# Altium PCB CANSAT-Measurement-RPI PCB.PcbDoc
Units mm, origin at the board's own origin, x right, y up, seen from the top; angles counter-clockwise.
Board outline 53.09 x 78.1 mm, 2 copper layers (Top Layer, Bottom Layer); 49 components, 67 nets, 382 pads, 0 vias.
Unrouted connection lines stored in the file: 121.
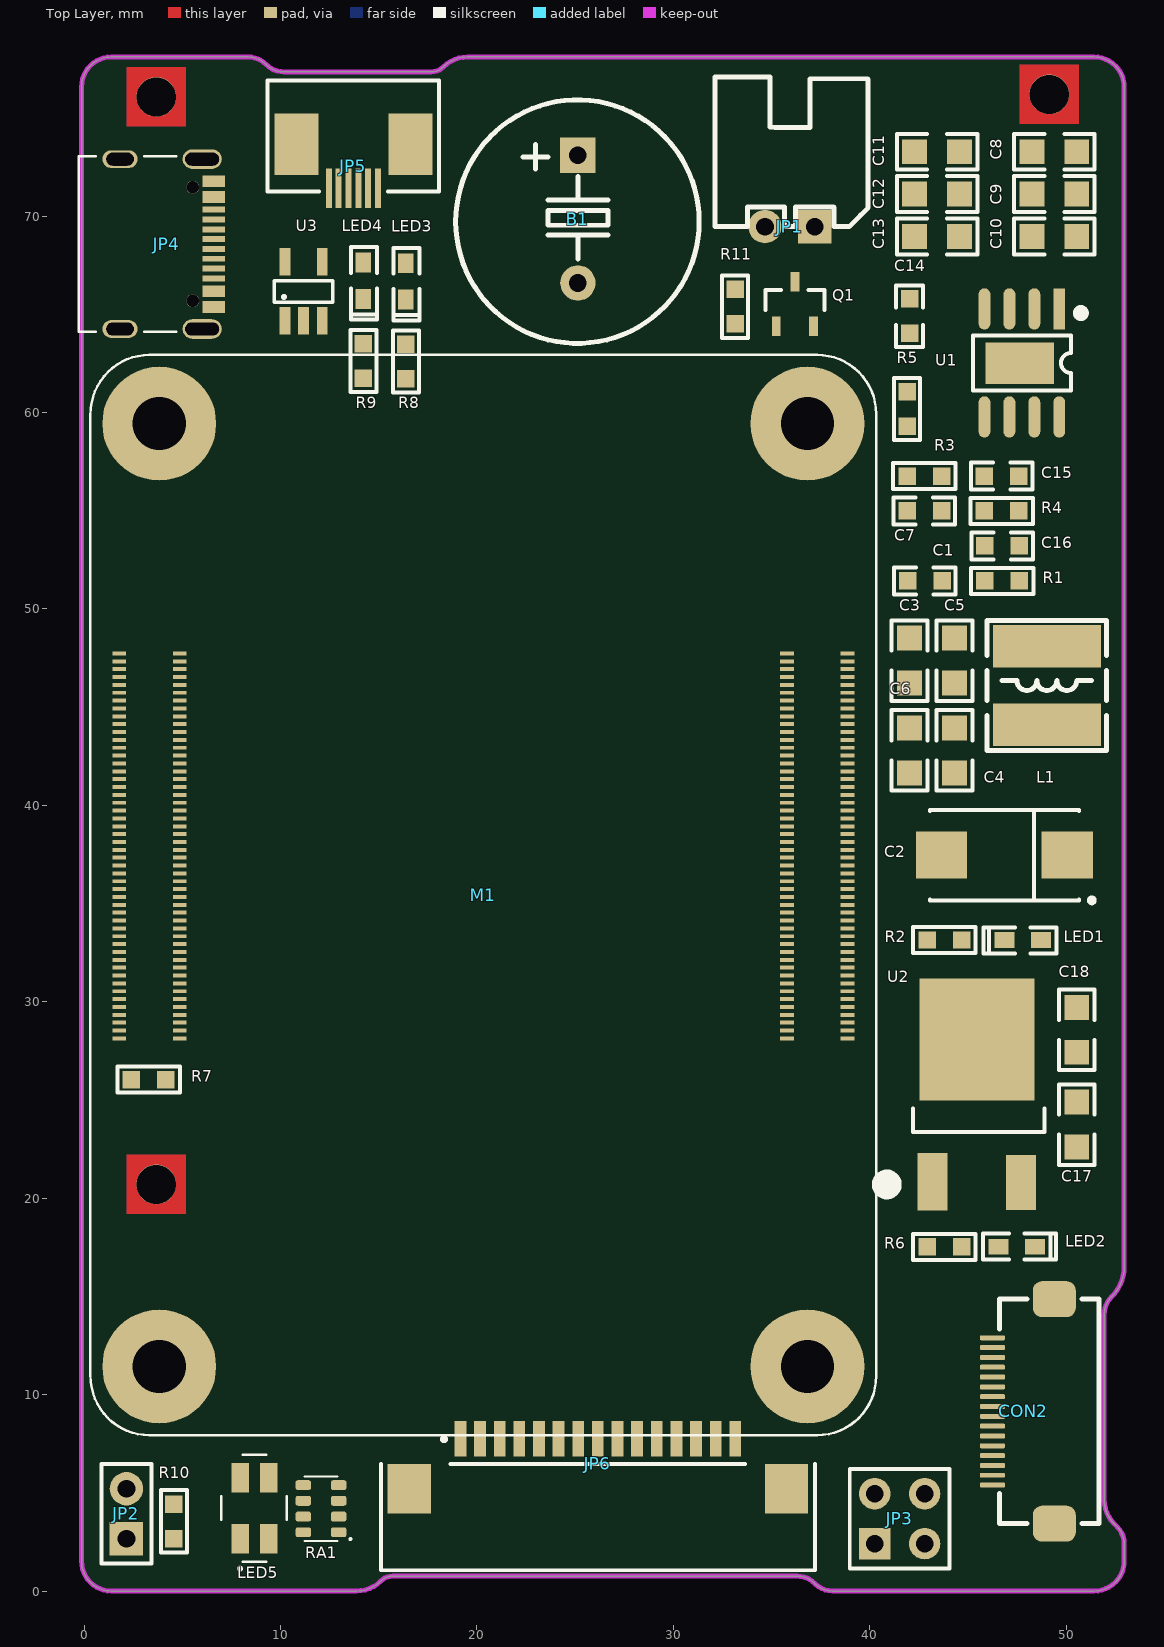
[diagram p0: Top Layer view]
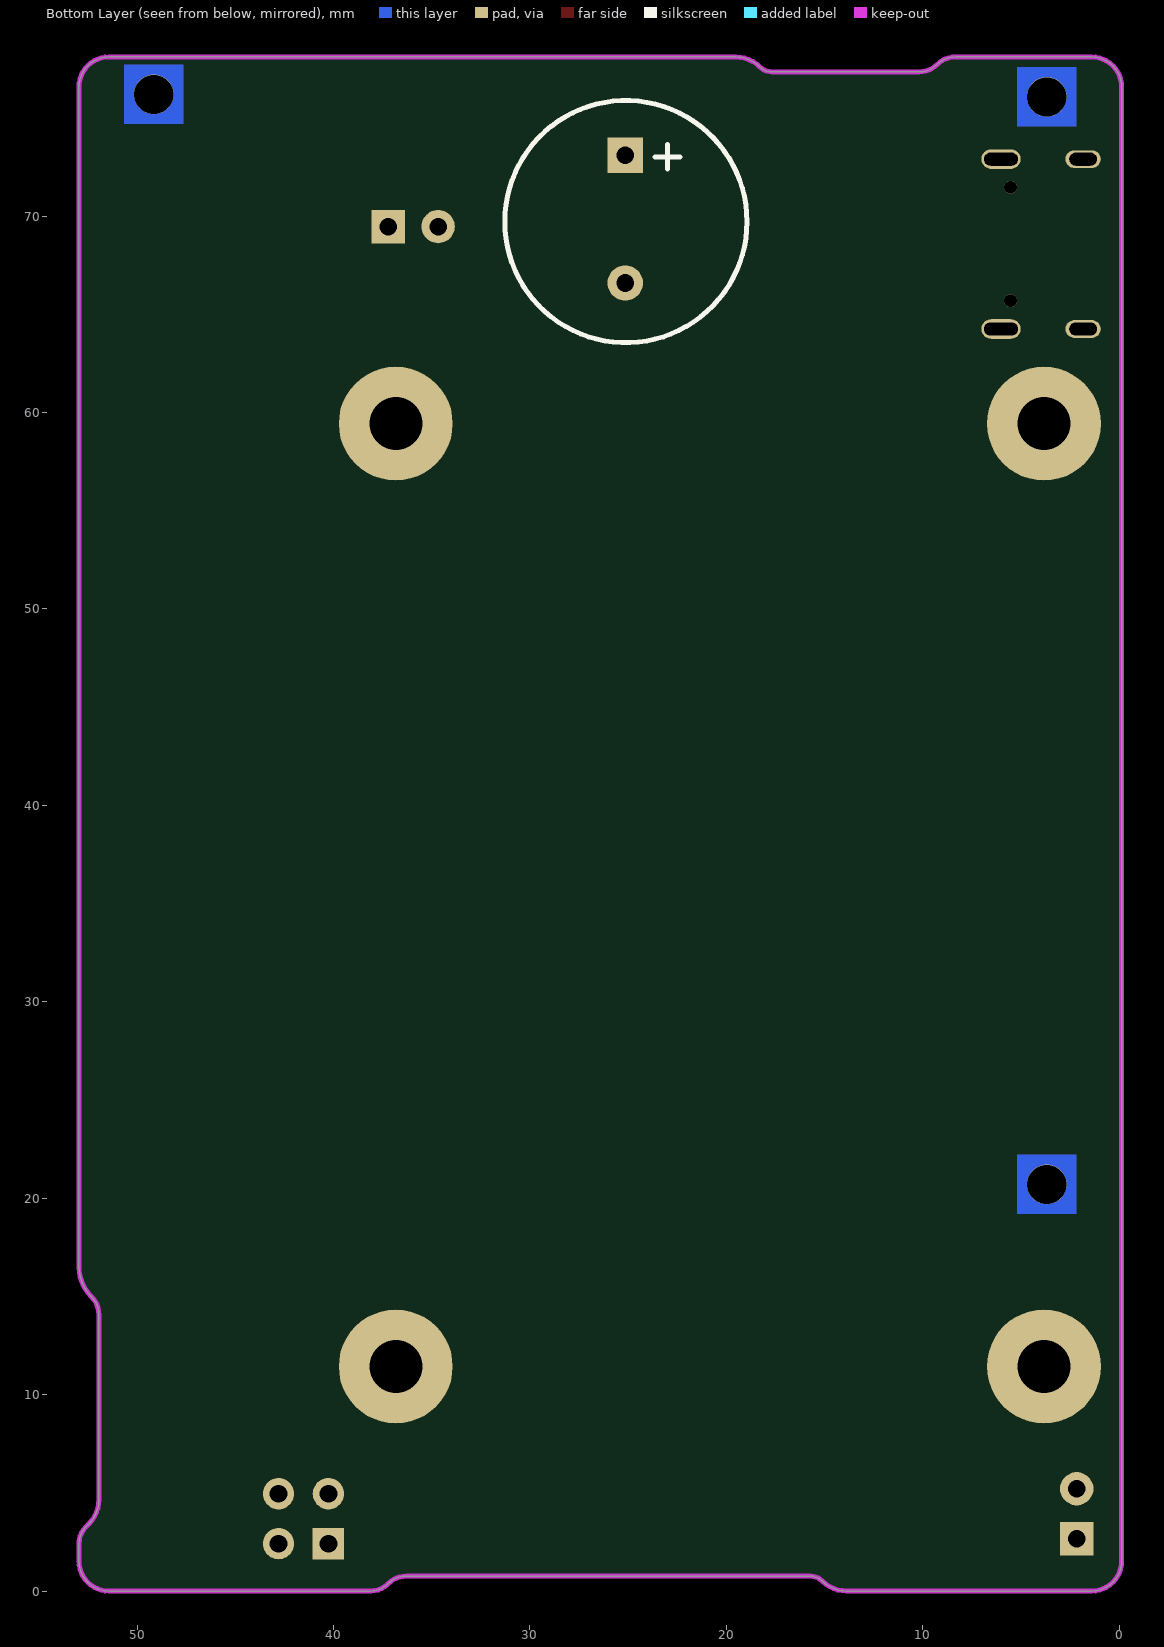
[diagram p1: Bottom Layer view, seen from below]

## Layer stack, top to bottom
Top Solder: solder mask 0.0102, Solder Resist, Dk 3.5
Top Layer: signal copper 0.0356
Dielectric 1: dielectric 0.32, FR-4, Dk 4.8
Bottom Layer: signal copper 0.0356
Bottom Solder: solder mask 0.0102, Solder Resist, Dk 3.5

## Board outline
1.397,0 13.887,0 ccw(c13.887,1.734) 15.113,0.508 cw(c15.726,-0.105) 15.726,0.762 36.291,0.762 cw(c36.291,-0.539) 37.211,0.381 37.233,0.359 ccw(c38.1,1.226) 38.1,0 51.435,0 ccw(c51.435,1.524) 52.959,1.524 52.959,2.413 ccw(c51.733,2.413) 52.6,3.28 52.451,3.429 cw(c53.677,4.655) 51.943,4.655 51.943,14.066 cw(c53.244,14.066) 52.324,14.986 52.33,14.992 ccw(c50.813,16.51) 52.959,16.51 52.959,76.708 52.959,76.581 ccw(c51.435,76.581) 51.435,78.105 19.685,78.105 19.514,78.105 ccw(c19.514,76.371) 18.288,77.597 cw(c17.675,78.21) 17.675,77.343 10.191,77.343 cw(c10.191,78.644) 9.271,77.724 ccw(c8.351,76.804) 8.351,78.105 1.397,78.105 ccw(c1.397,76.581) -0.127,76.581 -0.127,1.524 ccw(c1.397,1.524)

## Design rules (kind name [scope] priority, off if disabled: settings)
Clearance [All] p1: gap=0.2 ignorepadtopadclearanceinfootprint=FALSE
DiffPairsRouting [All] p1: maxlimit=0.254 minlimit=0.254 mostfreqgap=0.254 toplayer_minwidth=0.381 toplayer_maxwidth=0.381 toplayer_prefwidth=0.381 bottomlayer_minwidth=0.381 bottomlayer_maxwidth=0.381 bottomlayer_prefwidth=0.381 maxuncoupledlength=12.7
PolygonConnect [All] p1: connectstyle=Relief reliefconductorwidth=0.254 reliefentries=4 polygonreliefangle="90 Angle" airgapwidth=0.254
RoutingVias [All] p1: holewidth=0.711 width=1.27 viastyle="Through Hole" minholewidth=0.711 minwidth=1.27 maxholewidth=0.711 maxwidth=1.27
SolderMaskExpansion [All] p1: expansion=0.102 istentingtop=FALSE
Width [All] p1: maxlimit=0.254 minlimit=0.254 preferedwidth=0.254
29 further rules are at their usual default settings.

## Classes and differential pairs
differential pair USB2: +USB2_P -USB2_N
differential pair CAM_D1: +CAM_D1_P -CAM_D1_N
differential pair CAM_D0: +CAM_D0_P -CAM_D0_N
differential pair CAM_CK: +CAM_CK_P -CAM_CK_N

## Components (designator, comment, footprint, x,y, rotation, side; value= is the part's Value field where it differs from the comment)
B1 "DC5V" "Buzzer 6.5x12x8.5" 25.146,69.85 r180 top
C1 "100nF" "C 0603" 42.799,51.435 r180 top
C2 "100uF" "CD D(7343)" 46.863,37.465 r180 top
C3 "10uF" "C 0805" 42.037,47.371 r90 top
C4 "10uF" "C 0805" 44.323,42.799 r270 top
C5 "10uF" "C 0805" 44.323,47.371 r90 top
C6 "10uF" "C 0805" 42.037,42.799 r270 top
C7 "nF" "C 0603" 42.799,54.991 r0 top
C8 "10uF" "C 0805" 49.403,73.279 r0 top
C9 "10uF" "C 0805" 49.403,71.12 r0 top
C10 "10uF" "C 0805" 49.403,68.961 r0 top
C11 "10uF" "C 0805" 43.434,73.279 r180 top
C12 "10uF" "C 0805" 43.434,71.12 r180 top
C13 "10uF" "C 0805" 43.434,68.961 r180 top
C14 "100nF" "C 0603" 42.037,64.897 r270 top
C15 "nF" "C 0603" 46.736,56.769 r0 top
C16 "1.2nF" "C 0603" 46.736,53.213 r180 top
C17 "10uF" "C 0805" 50.546,23.749 r270 top
C18 "10uF" "C 0805" 50.546,28.575 r90 top
CON2 "FFC_0.5_16" FFC_0.5_16 48.514,9.144 r90 top
JP1 "HDR-1X2" XH2.54-2P_H 37.211,69.469 r180 top
JP2 "HDR-1X2" HDR-1X2 2.159,2.667 r90 top
JP3 "Header2X2" HDR-2X2 40.259,2.413 r0 top
JP4 "USB-C" USB-C-RIGHT 2.667,68.834 r270 top
JP5 "FFC_1.0_6" FFC_1.0_6_BT 13.97,73.787 r180 top
JP6 "FFC_1.0_15" FFC_1.0_15_BT 26.162,4.445 r0 top
L1 "2.2uH || 1uH" CD53 49.022,46.101 r270 top
LED1 "LED-SMD" "LED 0603R" 47.79,33.147 r180 top
LED2 "LED-SMD" "LED 0603R" 47.498,17.526 r0 top
LED3 "LED-SMD" "LED 0603Y" 16.383,66.675 r270 top
LED4 "LED-SMD" "LED 0603R" 14.224,66.713 r270 top
LED5 "LED RGB_A" RGB-3535-A 8.674,4.216 r180 top
M1 "RPI CM4" CM4 20.559,35.461 r270 top
Q1 "2N7002" SOT23-3L 36.195,65.532 r0 top
R1 "10R" "R 0603" 46.736,51.435 r180 top
R2 "2.2K" "R 0603" 43.815,33.147 r0 top
R3 "12K" "R 0603" 42.799,56.769 r0 top
R4 "20K" "R 0603" 46.736,54.991 r0 top
R5 "2.2K" "R 0603" 41.91,60.198 r90 top
R6 "1K" "R 0603" 43.79,17.526 r180 top
R7 "10K" "R 0603" 3.302,26.035 r0 top
R8 "1K" "R 0603" 16.383,62.611 r90 top
R9 "1K" "R 0603" 14.224,62.611 r270 top
R10 "1K" "R 0603" 4.572,3.531 r270 top
R11 "10K" "R 0603" 33.147,65.405 r90 top
RA1 "1K" "RA1206 (4x0603)" 12.065,4.191 r180 top
U1 "AP64501SP-13" SOP8_M-EP 47.752,62.528 r270 top
U2 "LD1086" TO252 45.466,23.876 r0 top
U3 "SN74LVC1G17DBVT" SOT23-5M 11.176,66.167 r0 top

## Footprints (in the part's own frame and the unit in brackets; to place one, negate y for a bottom-side part, rotate by r counter-clockwise, add the part's x,y. Pads: shape width x height; smd on the part's side, far side on the other; paste and mask are expansions set on the pad)
"Buzzer 6.5x12x8.5" [mm] "6.5*12*8.5mm"
  rect 1.8x1.8 hole 0.9: A(0,-3.25)
  round 1.8 hole 0.9: K(0,3.25)
  silkscreen extent -6.18,-6.07 6.22,6.32, body extent -6,-7.58 6,6, height 8.55
"C 0603" [mil] "ï¿½Þ¼ï¿½ï¿½ï¿½ï¿½ï¿½Æ¬ï¿½ï¿½ï¿½ï¿½"
  rect 35x35 smd: 1(-35,0) 2(34,0)
  silkscreen extent -62,-27 61,27, body extent -31,-16 31,16, height 32
"C 0805" [mil] "ï¿½Þ¼ï¿½ï¿½ï¿½ï¿½ï¿½Æ¬ï¿½ï¿½ï¿½ï¿½"
  rect 50x50 smd: 1(-45,0) 2(45,0)
  silkscreen extent -81,-36 81,36, body extent -39,-24 39,24, height 20
CD53 [mm] "5.8*5.2*3.5mm£¨³¤¿í¸ß£©"
  rect 2.15x5.5 smd: 1(-2,0) 2(2,0)
  silkscreen extent -3.3,-3.05 3.3,3.05, body extent -2.87,-2.5 2.87,2.5, height 3.6
"CD D(7343)" [mm] "Capacitor, SM Tantalum; Body 7.3 x 4.3 mm (LxW typ)"
  rect 2.6x2.4 smd: 1(-3.2,0) 2(3.2,0)
  silkscreen extent -4.58,-2.3 3.8,2.42, body extent -3.65,-2.15 3.65,2.15, height 2.8
CM4 [mm]
  rect 0.2x0.7 smd: 1(7.325,18.311) 2(7.325,15.231) 3(6.925,18.311) 4(6.925,15.231) 5(6.525,18.311) 6(6.525,15.231) 7(6.125,18.311) 8(6.125,15.231) 9(5.725,18.311) 10(5.725,15.231) 11(5.325,18.311) 12(5.325,15.231) 13(4.925,18.311) 14(4.925,15.231) 15(4.525,18.311) 16(4.525,15.231) 17(4.125,18.311) 18(4.125,15.231) 19(3.725,18.311) 20(3.725,15.231) 21(3.325,18.311) 22(3.325,15.231) 23(2.925,18.311) 24(2.925,15.231) 25(2.525,18.311) 26(2.525,15.231) 27(2.125,18.311) 28(2.125,15.231) 29(1.725,18.311) 30(1.725,15.231) 31(1.325,18.311) 32(1.325,15.231) 33(0.925,18.311) 34(0.925,15.231) 35(0.525,18.311) 36(0.525,15.231) 37(0.125,18.311) 38(0.125,15.231) 39(-0.275,18.311) 40(-0.275,15.231) 41(-0.675,18.311) 42(-0.675,15.231) 43(-1.075,18.311) 44(-1.075,15.231) 45(-1.475,18.311) 46(-1.475,15.231) 47(-1.875,18.311) 48(-1.875,15.231) 49(-2.275,18.311) 50(-2.275,15.231) 51(-2.675,18.311) 52(-2.675,15.231) 53(-3.075,18.311) 54(-3.075,15.231) 55(-3.475,18.311) 56(-3.475,15.231) 57(-3.875,18.311) 58(-3.875,15.231) 59(-4.275,18.311) 60(-4.275,15.231) 61(-4.675,18.311) 62(-4.675,15.231) 63(-5.075,18.311) 64(-5.075,15.231) 65(-5.475,18.311) 66(-5.475,15.231) 67(-5.875,18.311) 68(-5.875,15.231) 69(-6.275,18.311) 70(-6.275,15.231) 71(-6.675,18.311) 72(-6.675,15.231) 73(-7.075,18.311) 74(-7.075,15.231) 75(-7.475,18.311) 76(-7.475,15.231) 77(-7.875,18.311) 78(-7.875,15.231) 79(-8.275,18.311) 80(-8.275,15.231) 81(-8.675,18.311) 82(-8.675,15.231) 83(-9.075,18.311) 84(-9.075,15.231) 85(-9.475,18.311) 86(-9.475,15.231) 87(-9.875,18.311) 88(-9.875,15.231) 89(-10.275,18.311) 90(-10.275,15.231) 91(-10.675,18.311) 92(-10.675,15.231) 93(-11.075,18.311) 94(-11.075,15.231) 95(-11.475,18.311) 96(-11.475,15.231) 97(-11.875,18.311) 98(-11.875,15.231) 99(-12.275,18.311) 100(-12.275,15.231) 101(7.325,-15.689) 102(7.325,-18.769) 103(6.925,-15.689) 104(6.925,-18.769) 105(6.525,-15.689) 106(6.525,-18.769) 107(6.125,-15.689) 108(6.125,-18.769) 109(5.725,-15.689) 110(5.725,-18.769) 111(5.325,-15.689) 112(5.325,-18.769) 113(4.925,-15.689) 114(4.925,-18.769) 115(4.525,-15.689) 116(4.525,-18.769) 117(4.125,-15.689) 118(4.125,-18.769) 119(3.725,-15.689) 120(3.725,-18.769) 121(3.325,-15.689) 122(3.325,-18.769) 123(2.925,-15.689) 124(2.925,-18.769) 125(2.525,-15.689) 126(2.525,-18.769) 127(2.125,-15.689) 128(2.125,-18.769) 129(1.725,-15.689) 130(1.725,-18.769) 131(1.325,-15.689) 132(1.325,-18.769) 133(0.925,-15.689) 134(0.925,-18.769) 135(0.525,-15.689) 136(0.525,-18.769) 137(0.125,-15.689) 138(0.125,-18.769) 139(-0.275,-15.689) 140(-0.275,-18.769) 141(-0.675,-15.689) 142(-0.675,-18.769) 143(-1.075,-15.689) 144(-1.075,-18.769) 145(-1.475,-15.689) 146(-1.475,-18.769) 147(-1.875,-15.689) 148(-1.875,-18.769) 149(-2.275,-15.689) 150(-2.275,-18.769) 151(-2.675,-15.689) 152(-2.675,-18.769) 153(-3.075,-15.689) 154(-3.075,-18.769) 155(-3.475,-15.689) 156(-3.475,-18.769) 157(-3.875,-15.689) 158(-3.875,-18.769) 159(-4.275,-15.689) 160(-4.275,-18.769) 161(-4.675,-15.689) 162(-4.675,-18.769) 163(-5.075,-15.689) 164(-5.075,-18.769) 165(-5.475,-15.689) 166(-5.475,-18.769) 167(-5.875,-15.689) 168(-5.875,-18.769) 169(-6.275,-15.689) 170(-6.275,-18.769) 171(-6.675,-15.689) 172(-6.675,-18.769) 173(-7.075,-15.689) 174(-7.075,-18.769) 175(-7.475,-15.689) 176(-7.475,-18.769) 177(-7.875,-15.689) 178(-7.875,-18.769) 179(-8.275,-15.689) 180(-8.275,-18.769) 181(-8.675,-15.689) 182(-8.675,-18.769) 183(-9.075,-15.689) 184(-9.075,-18.769) 185(-9.475,-15.689) 186(-9.475,-18.769) 187(-9.875,-15.689) 188(-9.875,-18.769) 189(-10.275,-15.689) 190(-10.275,-18.769) 191(-10.675,-15.689) 192(-10.675,-18.769) 193(-11.075,-15.689) 194(-11.075,-18.769) 195(-11.475,-15.689) 196(-11.475,-18.769) 197(-11.875,-15.689) 198(-11.875,-18.769) 199(-12.275,-15.689) 200(-12.275,-18.769)
  round 5.8 hole 2.7: S1(-23.975,16.271) S2(24.025,16.271) S3(-23.975,-16.729) S4(24.025,-16.729)
  silkscreen extent -27.47,-20.23 27.53,19.77, body extent -27.46,-20.19 27.54,19.81, height 5.65
FFC_0.5_16 [mil]
  rrect50% 72x86 smd: 0(-225,-35) 0(225,-35)
  rrect50% 10x50 smd: 1(-147.64,89) 2(-127.95,89) 3(-108.27,89) 4(-88.58,89) 5(-68.9,89) 6(-49.21,89) 7(-29.53,89) 8(-9.84,89) 9(9.84,89) 10(29.53,89) 11(49.21,89) 12(68.9,89) 13(88.58,89) 14(108.27,89) 15(127.95,89) 16(147.64,89)
  silkscreen extent -225,-125 225,75, body extent -266,-130 266,80, height 82
FFC_1.0_6_BT [mm]
  rect 0.3x2 smd: 1(-0.996,2.361) 2(-0.496,2.361) 3(0.004,2.361) 4(0.504,2.361) 5(1.004,2.361) 6(1.504,2.361)
  rect 2.24x3.12 smd: S1(-2.643,0.127) S2(3.151,0.127)
  silkscreen extent -4.11,-3.12 4.62,2.54, body extent -4.07,-2.79 4.58,2.88, height 2.05
FFC_1.0_15_BT [mm]
  rect 0.6x1.8 smd: 1(-7,3.302) 2(-6,3.302) 3(-5,3.302) 4(-4,3.302) 5(-3,3.302) 6(-2,3.302) 7(-1,3.302) 8(0,3.302) 9(1,3.302) 10(2,3.302) 11(3,3.302) 12(4,3.302) 13(5,3.302) 14(6,3.302) 15(7,3.302)
  rect 2.2x2.5 smd: S1(-9.6,0.762) S2(9.6,0.762)
  silkscreen extent -11.05,-3.39 11.05,3.39, body extent -11.13,-3.05 10.88,3.86, height 3.01
HDR-1X2 [mm] "ï¿½ï¿½ï¿½ë£¬2ï¿½ï¿½"
  rect 1.7x1.7 hole 0.9: 1(0,0)
  round 1.7 hole 0.9: 2(2.54,0)
  silkscreen extent -1.27,-1.27 3.81,1.27, body extent -1.27,-1.27 3.81,1.27, height 8.5
HDR-2X2 [mm] "Ë«ï¿½ï¿½ï¿½ï¿½ï¿½ë£¬2x2ï¿½ï¿½"
  rect 1.6x1.6 hole 0.9: 1(0,0)
  round 1.6 hole 0.9: 2(0,2.54) 3(2.54,0) 4(2.54,2.54)
  silkscreen extent -1.27,-1.27 3.81,3.81, body extent -1.27,-1.27 3.81,3.81, height 8.5
"LED 0603R" [mm] "ï¿½ï¿½É«0603LED"
  rect 1.016x0.8 smd: 1(-0.927,0) 2(0.927,0)
  silkscreen extent -1.71,-0.63 1.98,0.69, body extent -0.8,-0.4 0.8,0.4, height 0.61
"LED 0603Y" [mm] "ï¿½ï¿½É«0603LED"
  rect 1.016x0.8 smd: 1(-0.927,0) 2(0.927,0)
  silkscreen extent -1.71,-0.63 1.98,0.69, body extent -0.8,-0.41 0.8,0.4, height 0.61
"R 0603" [mil] "1/10Wï¿½ï¿½Æ¬ï¿½ï¿½ï¿½ï¿½"
  rect 35x35 smd: 1(-35,0) 2(34,0)
  silkscreen extent -63,-26 62,26, body extent -31,-16 32,16, height 16
"RA1206 (4x0603)" [mm]
  rrect50% 0.8x0.5 smd: 1(-0.9,1.2) 2(-0.9,0.4) 3(-0.9,-0.4) 4(-0.9,-1.2) 5(0.9,-1.2) 6(0.9,-0.4) 7(0.9,0.4) 8(0.9,1.2)
  silkscreen extent -1.55,-1.65 0.85,1.65, body extent -0.8,-1.6 0.8,1.6, height 0.5
RGB-3535-A [mil]
  rect 35x59 smd: 1(28.5,61) 2(28.5,-61) 3(-28.5,-61) 4(-28.5,61)
  silkscreen extent -65,-107 66,122, body extent -54,-67 56,71, height 73
SOP8_M-EP [mm] "5*6*1.8mm£¨³¤¿í¸ß£©"
  rect 2.1x0.6 smd: 1(-2.75,1.905)
  oval 2.1x0.6 smd: 2(-2.75,0.635) 3(-2.75,-0.635) 4(-2.75,-1.905) 5(2.75,-1.905) 6(2.75,-0.635) 7(2.75,0.635) 8(2.75,1.905)
  rect 2.1x3.5 smd: 9(0.01,-0.113)
  silkscreen extent -2.69,-2.5 1.4,3.15, body extent -3,-2.5 3,2.5, height 1.9
SOT23-3L [mm] "3x1.3x1mm(ï¿½ï¿½ï¿½ï¿½ï¿½)"
  rect 0.45x1 smd: 1(-0.95,-1.143) 2(0.95,-1.143) 3(0,1.125)
  silkscreen extent -1.5,-0.3 1.5,0.7, body extent -1.5,-1.2 1.5,1.2, height 1.05
SOT23-5M [mm] "3x1.6x1.1mm(ï¿½ï¿½ï¿½ï¿½ï¿½)"
  rect 0.55x1.4 smd: 1(-0.95,-1.5) 2(0,-1.5) 3(0.95,-1.5) 4(0.95,1.5) 5(-0.95,1.5)
  silkscreen extent -1.5,-0.56 1.5,0.56, body extent -1.5,-1.4 1.5,1.4, height 1.15
TO252 [mil] "252¾§Ìå¹Ü"
  rect 60x115 smd: 1(-89.55,-119.77)
  rect 230x245 smd: 2(0,165.35)
  rect 60x110 smd: 3(88.45,-120.77)
  silkscreen extent -196,-140 135,28, body extent -127,-120 129,251, height 91
USB-C-RIGHT [mm]
  rect 0.3x1.14 smd: A1(-3.096,3.937) A4(-2.296,3.937) A5(-0.996,3.937) A6(0.004,3.937) A7(0.504,3.937) A8(1.504,3.937) A9(2.804,3.937) A12(3.604,3.937) B1(3.304,3.937) B4(2.504,3.937) B5(2.004,3.937) B6(1.004,3.937) B7(-0.496,3.937) B8(-1.496,3.937) B9(-1.996,3.937) B12(-2.796,3.937)
  oval 1x2 hole 0.65 slot 1.72 at 90 deg: S1(-4.071,3.347) S2(4.579,3.347)
  oval 0.9x1.8 hole 0.65 slot 1.4 at 90 deg: S3(-4.071,-0.833) S4(4.579,-0.833)
  round 0.65 hole 0.65 unplated: ""(-2.636,2.867) ""(3.144,2.867)
  silkscreen extent -4.22,-2.92 4.72,2.03, body extent -4.22,-3.36 4.72,4.39, height 3.26
XH2.54-2P_H [mm] "½Ó²å¼þ£¬2P"
  rect 1.7x1.7 hole 0.9: 1(0,0)
  round 1.7 hole 0.9: 2(2.54,0)
  silkscreen extent -2.72,-7.62 5.08,0, body extent -2.5,-7.35 5.04,0.35, height 5.73

## Part data
B1: library part Buzzer, "Active Piezo Electronic Buzzer Beep", BOM名称=蜂鸣器, 学习资源=www.ooocke.com, 版权归属=源创客
C1 C3 C4 C5 C6 C7 C8 C9 C10 C11 C12 C13 C14 C15 C16 C17 C18: library part C, "Non-polar patch capacitor", BOM名称=无极性贴片电容, 学习资源=www.ooocke.com, 版权归属=源创客
C2: library part C-CD, "Solid Tantalum Chip Capacitor, Standard T491 Series - Industrial Grade", PackageDocument=Mar-2001, Code_JEITA=3528-21, ComponentLink1Description="Manufacturer Link", ComponentLink1URL=http://www.kemet.com/, ComponentLink2Description=Datasheet, ComponentLink2URL=http://www.kemet.com/kemet/web/homepage/kechome.nsf/vapubfilesname/F3102TA.pdf/$file/F3102TA.pdf, DatasheetDocument=Mar-2001, LatestRevisionDate=19-Mar-2004, LatestRevisionNote="Silkscreen dimensions re-sized.", PackageReference=B, Published=17-Jul-2002, Publisher="Altium Limited"
CON2 JP5 JP6: "FFC"
JP1 JP2: library part "Header 2", "2P Connector", BOM名称=2P接插件, 学习资源=www.ooocke.com, 版权归属=源创客
JP3: library part "Header 2X2", "2*2P Connector", BOM名称=2*2P接插件, 学习资源=www.ooocke.com, 版权归属=源创客
JP4: library part USB-C-RIGHT
L1: library part L-CD, "Chip power inductor", BOM名称=功率电感, 学习资源=www.ooocke.com, 版权归属=源创客
LED1 LED2 LED3 LED4: "Patch LED", BOM名称=贴片LED, 学习资源=www.ooocke.com, 版权归属=源创客
M1: library part CM4
Q1: library part 2N7002-SMD, "N-Channel Enhancement Mode Field Effect Transistor"
R1 R2 R3 R4 R5 R6 R7 R8 R9 R10 R11: library part R, "Chip resistor", BOM名称="Chip resistor", 学习资源=www.ooocke.com, 版权归属=源创客
RA1: library part R-ARR, "4 way Chip Resistor Array"
U2: "Linear Voltage Regulator IC 1 Output 1.5A DPAK"
U3: "Single 1.65-V to 5.5-V buffer with Schmitt-Trigger inputs"

## Free pads (board coordinates)
  round 2.025 hole 2: 3(3.683,20.701) 3(3.683,76.073) 3(49.149,76.2)

## Nets (pads, with @x,y where several pads share a name; then routed paths per layer and width w, separated by ;. In a path a pad name is that pad's centre, name@x,y a point inside that pad or via, vN(x,y) a via of type N, cw(c..) or ccw(c..) an arc to the next point about the centre after c; other vN are vias at no path point)
3.3V: C18.1 CON2.15 CON2.16 JP5.5 JP6.15 LED3.1 LED4.1 LED5.3 M1.78 R6.2 R10.1 U2.2 U3.5
5V: B1.A C2.1 C3.1 C4.1 C5.1 C6.1 C7.1 L1.2 LED1.1 M1.77 M1.79 M1.81 M1.83 M1.85 M1.87 R3.1
AIN0: M1.96
AIN1: M1.94
BUZZER_TRIG: Q1.1 R11.2
CAM_CK_N: JP6.8 M1.140
CAM_CK_P: JP6.9 M1.142
CAM_D0_N: JP6.2 M1.128
CAM_D0_P: JP6.3 M1.130
CAM_D1_N: JP6.5 M1.134
CAM_D1_P: JP6.6 M1.136
CAM_IO0: JP6.11 M1.97
CAM_IO1: JP6.12
CAM_SCL: JP6.13 M1.35
CAM_SDA: JP6.14 M1.36
E01_CE: CON2.8 M1.45
E01_CSN: CON2.7 M1.49
E01_IRQ: CON2.11 M1.47
E01_MISO: CON2.12 M1.40
E01_MOSI: CON2.9 M1.44
E01_SCK: CON2.10 M1.38
EEPROM_nWP: JP3.2 M1.20
GND: C2.2 C3.2 C4.2 C5.2 C6.2 C8.2 C9.2 C10.2 C11.2 C12.2 C13.2 C14.2 C15.2 C16.2 C17.2 C18.2 CON2.13 CON2.14 JP1.2 JP3.1 JP3.3 JP4.A1 JP4.A12 JP4.B1 JP4.B12 JP4.S1 JP4.S2 JP4.S3 JP4.S4 JP5.6 JP6.1 JP6.4 JP6.7 JP6.10 LED2.2 M1.1 M1.2 M1.7 M1.8 M1.13 M1.14 M1.22 M1.23 M1.32 M1.33 M1.42 M1.43 M1.52 M1.53 M1.59 M1.60 M1.65 M1.66 M1.71 M1.74 M1.98 M1.107 M1.108 M1.113 M1.114 M1.119 M1.120 M1.125 M1.126 M1.131 M1.132 M1.137 M1.138 M1.144 M1.150 M1.155 M1.156 M1.161 M1.162 M1.167 M1.168 M1.173 M1.174 M1.179 M1.180 M1.185 M1.186 M1.191 M1.192 M1.197 M1.198 Q1.2 R2.1 R5.2 R7.1 R11.1 U1.7 U1.9 U2.1 U3.3
IMU_INT: CON2.6 M1.25
IMU_SCL: CON2.2 M1.56
IMU_SDA: CON2.1 M1.58
LED1: M1.46 RA1.8
LED2: M1.34 RA1.7
LED3: M1.30 RA1.6
MPL_INT1: M1.29
MPL_INT2: CON2.3 M1.27
nACTIVITY: M1.21 R8.1
NetB1_K: B1.K Q1.3
NetC1_1: C1.1 R1.2
NetC1_2: C1.2 U1.1
NetC7_2: C7.2 R3.2 R5.1 U1.5
NetC14_1: C14.1 U1.4
NetC15_1: C15.1 R4.1 U1.6
NetC16_1: C16.1 R4.2
NetJP2_1: JP2.1 R10.2
NetJP4_A2: 
NetJP4_A10: 
NetJP4_B2: 
NetJP4_B10: 
NetL1_1: L1.1 R1.1 U1.8
NetLED1_2: LED1.2 R2.2
NetLED2_1: LED2.1 R6.1
NetLED3_2: LED3.2 R8.2
NetLED4_2: LED4.2 R9.1
NetLED5_1: LED5.1 RA1.1
NetLED5_2: LED5.2 RA1.3
NetLED5_4: LED5.4 RA1.2
NetR9_2: R9.2 U3.4
nPWR_LED: M1.95 U3.2
nRPIBOOT: JP3.4 M1.93
RXD_MAIN: JP5.2 M1.55
SCL: CON2.4 M1.28
SCL0: M1.80
SDA: CON2.5 M1.31
SDA0: M1.82
TURN_ON_PULSE: JP5.3 M1.41
TXD_MAIN: JP5.1 M1.51
USB2_N: JP4.A7 JP4.B7 M1.103
USB2_P: JP4.A6 JP4.B6 M1.105
USBOTG_ID: JP2.2 M1.101 R7.2
VBAT: C8.1 C9.1 C10.1 C11.1 C12.1 C13.1 C17.1 JP1.1 U1.2 U1.3 U2.3
VUSB: JP4.A4 JP4.A9 JP4.B4 JP4.B9
pads on no net: CON2.0 JP4. JP4.A5 JP4.A8 JP4.B5 JP4.B8 JP5.4 JP5.S1 JP5.S2 JP6.S1 JP6.S2 M1.3 M1.4 M1.5 M1.6 M1.9 M1.10 M1.11 M1.12 M1.15 M1.16 M1.17 M1.18 M1.19 M1.24 M1.26 M1.37 M1.39 M1.48 M1.50 M1.54 M1.57 M1.61 M1.62 M1.63 M1.64 M1.67 M1.68 M1.69 M1.70 M1.72 M1.73 M1.75 M1.76 M1.84 M1.86 M1.88 M1.89 M1.90 M1.91 M1.92 M1.99 M1.100 M1.102 M1.104 M1.106 M1.109 M1.110 M1.111 M1.112 M1.115 M1.116 M1.117 M1.118 M1.121 M1.122 M1.123 M1.124 M1.127 M1.129 M1.133 M1.135 M1.139 M1.141 M1.143 M1.145 M1.146 M1.147 M1.148 M1.149 M1.151 M1.152 M1.153 M1.154 M1.157 M1.158 M1.159 M1.160 M1.163 M1.164 M1.165 M1.166 M1.169 M1.170 M1.171 M1.172 M1.175 M1.176 M1.177 M1.178 M1.181 M1.182 M1.183 M1.184 M1.187 M1.188 M1.189 M1.190 M1.193 M1.194 M1.195 M1.196 M1.199 M1.200 M1.S1 M1.S2 M1.S3 M1.S4 RA1.4 RA1.5 U3.1

## Keep-outs
Keep-Out Layer:
  lines w0.254: 52.959,2.413 ccw(c51.733,2.413) 52.6,3.28 52.451,3.429 cw(c53.677,4.655) 51.943,4.655 51.943,5.334 51.943,13.335 51.943,14.066 cw(c53.244,14.066) 52.324,14.986 52.33,14.992 ccw(c50.813,16.51) 52.959,16.51 ; 52.959,2.54 52.959,1.524 cw(c51.435,1.524) 51.435,0 38.1,0 cw(c38.1,1.226) 37.233,0.359 37.211,0.381 ccw(c36.291,-0.539) 36.291,0.762 35.814,0.762 16.129,0.762 15.726,0.762 ccw(c15.726,-0.105) 15.113,0.508 cw(c13.887,1.734) 13.887,0 13.843,0 1.397,0 cw(c1.397,1.524) -0.127,1.524 -0.127,76.581 cw(c1.397,76.581) 1.397,78.105 8.351,78.105 cw(c8.351,76.804) 9.271,77.724 ccw(c10.191,78.644) 10.191,77.343 17.675,77.343 ccw(c17.675,78.21) 18.288,77.597 cw(c19.514,76.371) 19.514,78.105 19.685,78.105 51.435,78.105 cw(c51.435,76.581) 52.959,76.581 ; 52.959,16.383 52.959,76.708

## Other copper
Top Layer:
  region: 2.183,22.201 2.183,19.201 5.183,19.201 5.183,22.201
  region: 50.649,74.7 50.649,77.7 47.649,77.7 47.649,74.7
  region: 2.183,77.573 2.183,74.573 5.183,74.573 5.183,77.573
Bottom Layer:
  region: 2.183,22.201 2.183,19.201 5.183,19.201 5.183,22.201
  region: 50.649,74.7 50.649,77.7 47.649,77.7 47.649,74.7
  region: 2.183,77.573 2.183,74.573 5.183,74.573 5.183,77.573

## Silkscreen, mask and mechanical layers (free items; w line width, h text height)
Mechanical 1:
  lines w0.254: -2.667,76.073 -0.127,76.073 ; -1.651,75.565 -0.127,76.073 ; -1.651,76.581 -0.127,76.073 ; -0.127,75.819 -0.127,76.327 ; 3.683,75.819 3.683,76.327 ; 5.207,75.565 3.683,76.073 ; 5.207,76.581 3.683,76.073 ; 6.223,76.073 3.683,76.073
  text "3.81 (mm)" at -4.341,72.416 h1.52